# Allegro board BeagleBoard-X15_RevA2.brd (continued)
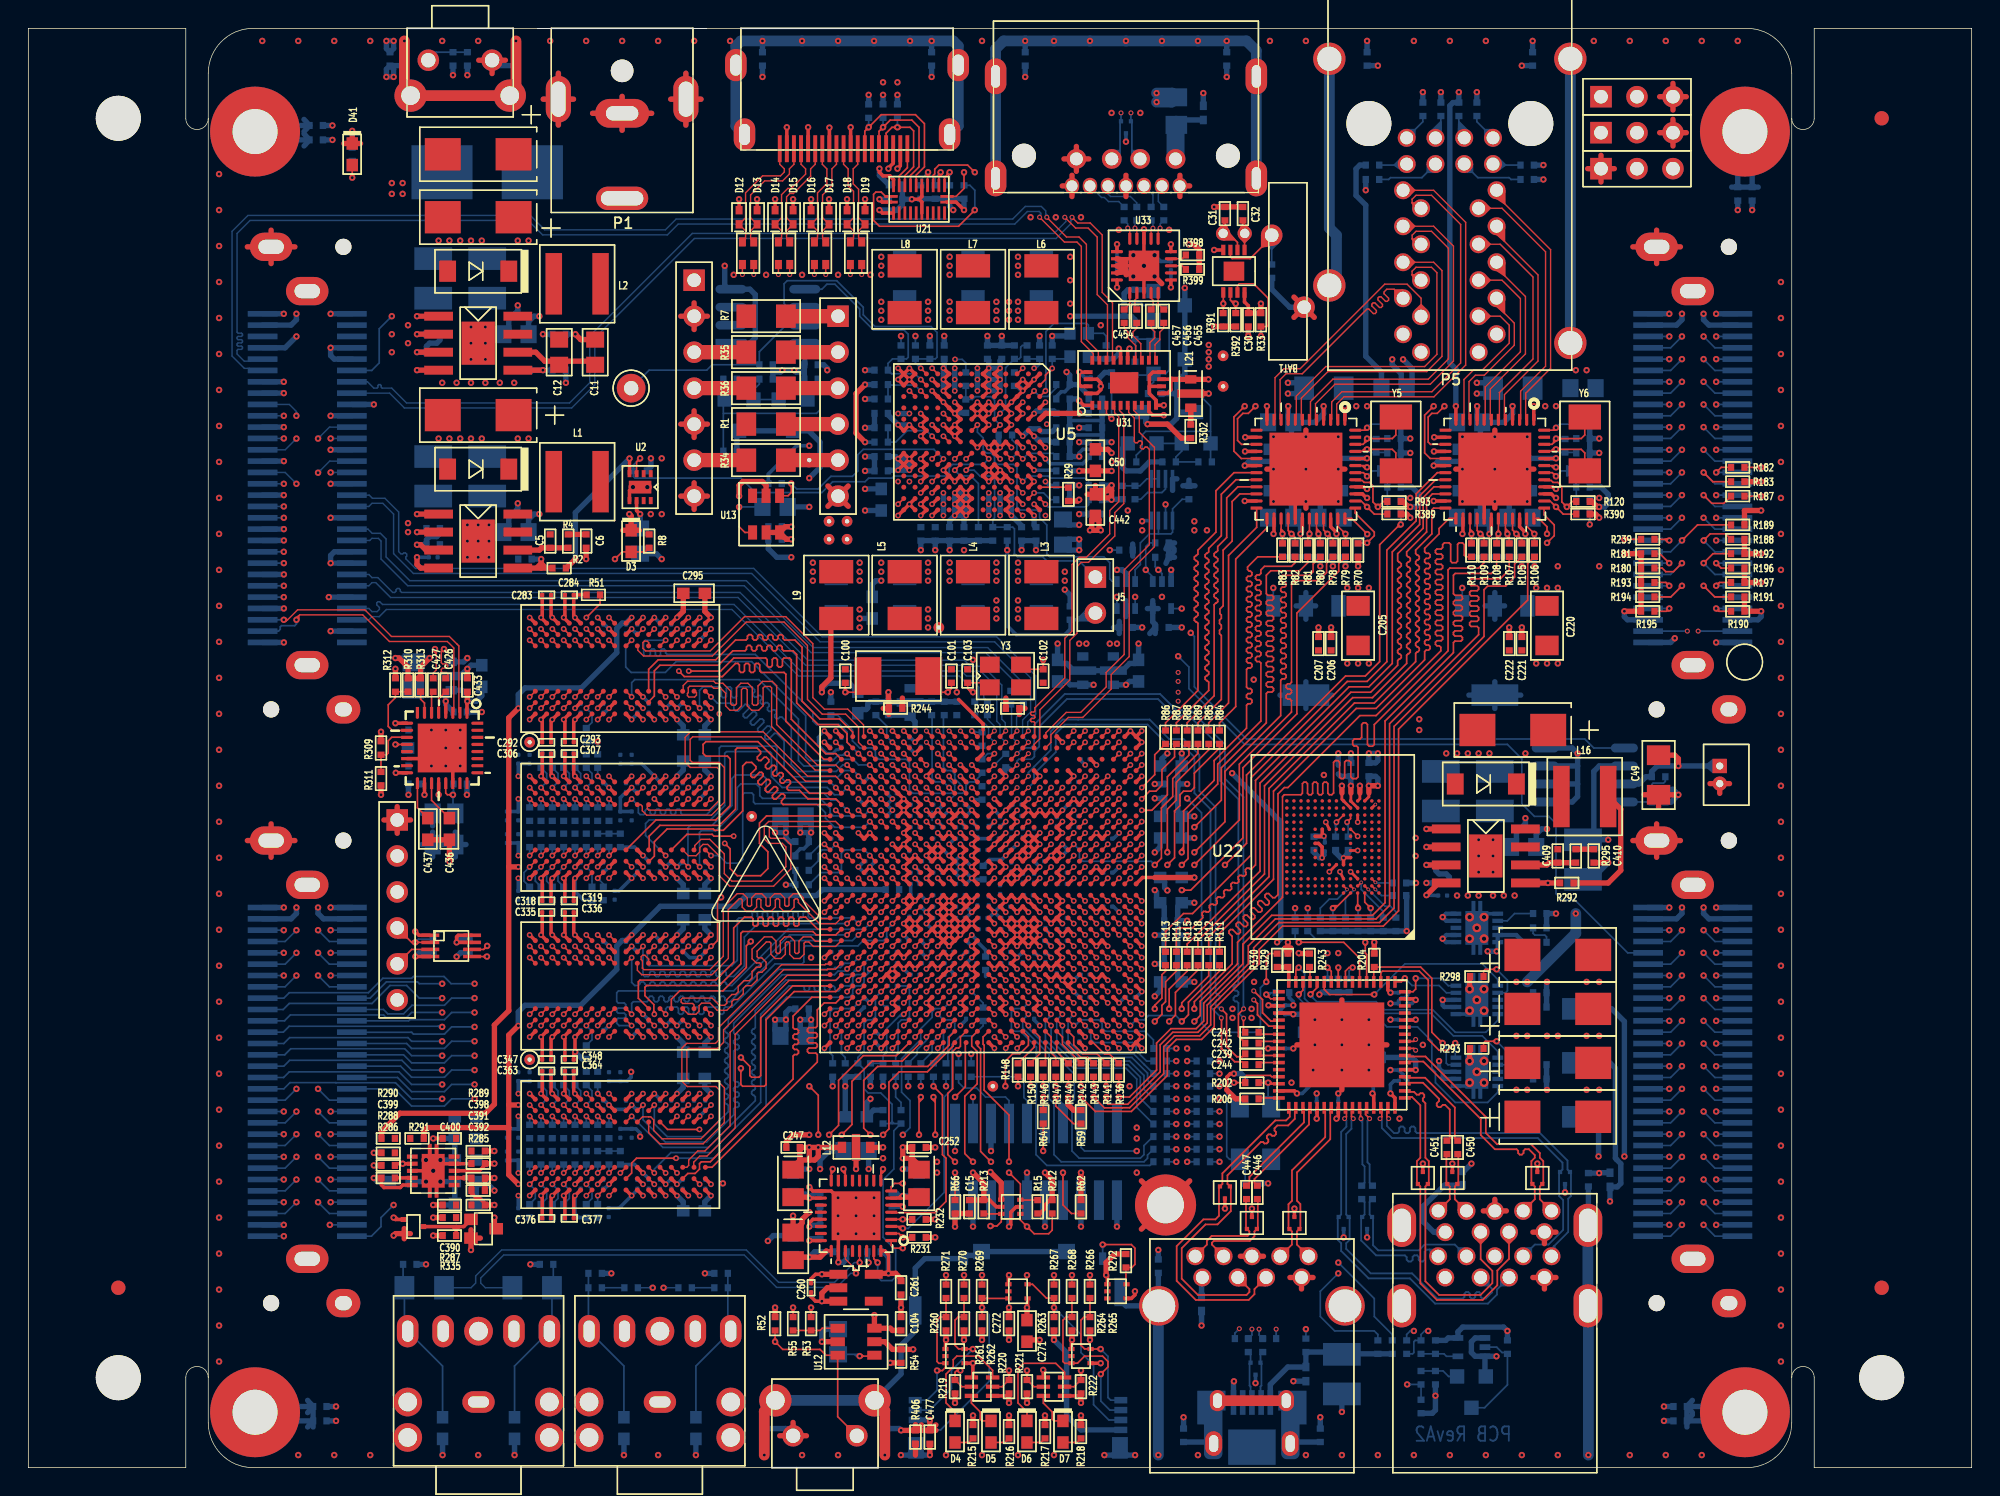
[diagram p0: board, top side]
## Routing (per net, layer and track width the routed paths; a pad name or vN(x,y) marks a point on that pad's centre or on a via; arc(x,y) is an arc through that point) (continued)
DDR2_DQSN1: length 28.4
  TOP w0.102: U25.G3 43.35,24.77 43.78,24.77 43.79,24.76 43.93,24.76 44.14,24.55 44.14,23.8 44.72,23.22 47.47,23.22 48.77,24.51 48.77,26.67 48.54,26.9 46.51,26.9 46.13,27.28 46.13,29.61 46.47,29.95 48.5,29.95 48.71,30.17 48.71,31.06 53.16,35.5 56.22,35.5 56.28,35.55 56.53,35.55 U11.H28
DDR2_DQSN2: length 20.5
  TOP w0.102: U11.K28 56.53,37.15 55.55,37.15 55.24,37.47 54.69,37.47 54.39,37.17 54.39,36.39 54.3,36.3 54.18,36.3 54.09,36.39 54.09,37.17 53.79,37.47 53.37,37.47 53.07,37.17 53.07,36.39 52.98,36.3 52.86,36.3 52.77,36.39 52.77,37.17 52.47,37.47 51.94,37.47 51.08,36.6 51.08,35.93 51.38,35.63 51.63,35.63 51.71,35.54 51.71,35.41 51.63,35.32 51.38,35.32 51.08,35.03 51.08,34.57 50.88,34.37 50.5,34.37 50.1,33.97 50.1,33.59 49.91,33.4 49.66,33.4 49.3,33.05 49.3,32.79 49.15,32.64 48.77,32.64 48.26,33.15 46.18,33.15 46.08,33.05 46.08,32.87 46.18,32.77 46.88,32.77 46.98,32.66 U26.B7
DDR2_DQSN3: length 24.2
  TOP w0.102: U11.M27 56.98,38.4 55.84,38.4 54.35,39.89 54.35,40.07 54.26,40.16 54.13,40.16 54.04,40.07 54.04,39.57 53.75,39.27 53.33,39.27 53.03,39.57 53.03,40.07 52.94,40.16 52.81,40.16 52.72,40.07 52.72,39.57 52.43,39.27 52,39.27 51.71,39.57 51.71,40.07 51.62,40.16 51.49,40.16 51.4,40.07 51.4,39.57 51.1,39.27 50.68,39.27 50.39,39.57 50.39,40.07 50.3,40.16 50.17,40.16 49.4,39.39 49.4,35.95 48.25,34.8 43.29,34.8 42.98,35.11 U26.G3
DDR2_ODT0: length 48.4
  TOP w0.12: U11.R23 v1(60.19,41.61) ; v1(40.18,37.6) U26.K1 ; v1(40.18,26.4) U25.K1
  INT_L3 w0.094: v1(40.18,37.6) U26.K1 40.58,35.82 41.4,35 41.4,27.89 40.18,26.67 v1(40.18,26.4)
  SIG_L5 w0.094: v1(40.18,37.6) 40.18,37.64 40.64,38.1 42.41,38.1 42.49,38.18 42.49,38.4 42.57,38.48 42.69,38.48 42.77,38.4 42.77,38.18 42.85,38.1 42.97,38.1 43.05,38.18 43.05,38.4 43.14,38.48 43.25,38.48 43.34,38.4 43.34,38.18 43.42,38.1 43.53,38.1 43.62,38.18 43.62,38.4 43.7,38.48 43.82,38.48 43.9,38.4 43.9,38.18 43.98,38.1 44.1,38.1 44.18,38.18 44.18,38.4 44.26,38.48 44.38,38.48 44.46,38.4 44.46,38.18 44.55,38.1 44.66,38.1 44.75,38.18 44.75,38.4 44.83,38.48 44.94,38.48 45.03,38.4 45.03,38.18 45.11,38.1 45.23,38.1 45.31,38.18 45.31,38.4 45.39,38.48 45.51,38.48 45.59,38.4 45.59,38.18 45.67,38.1 45.79,38.1 45.87,38.18 45.87,38.4 45.96,38.48 46.07,38.48 46.15,38.4 46.15,38.18 46.24,38.1 46.35,38.1 46.44,38.18 46.44,38.4 46.52,38.48 46.64,38.48 46.72,38.4 46.72,38.18 46.8,38.1 46.92,38.1 47,38.18 47,38.4 47.08,38.48 47.2,38.48 47.28,38.4 47.28,38.18 47.37,38.1 47.48,38.1 47.56,38.18 47.56,38.4 47.65,38.48 47.76,38.48 47.85,38.4 47.85,38.18 47.93,38.1 48.05,38.1 48.13,38.18 48.13,38.4 48.21,38.48 48.33,38.48 48.41,38.4 48.41,38.18 48.49,38.1 48.61,38.1 48.69,38.18 48.69,38.4 48.78,38.48 48.89,38.48 48.97,38.4 48.97,38.18 49.06,38.1 49.17,38.1 49.26,38.18 49.26,38.4 49.34,38.48 49.46,38.48 49.54,38.4 49.54,38.18 49.62,38.1 49.74,38.1 49.82,38.18 49.82,38.4 49.9,38.48 50.02,38.48 50.1,38.4 50.1,38.18 50.18,38.1 50.3,38.1 50.38,38.18 50.38,38.4 50.47,38.48 50.58,38.48 50.67,38.4 50.67,38.18 50.75,38.1 50.87,38.1 50.95,38.18 50.95,38.4 51.03,38.48 51.15,38.48 51.23,38.4 51.23,38.18 51.31,38.1 51.43,38.1 51.51,38.18 51.51,38.4 51.59,38.48 51.71,38.48 51.79,38.4 51.79,38.18 51.88,38.1 51.99,38.1 52.08,38.18 52.08,38.4 52.16,38.48 52.28,38.48 52.36,38.4 52.36,38.18 52.44,38.1 52.56,38.1 52.64,38.18 52.64,38.4 52.72,38.48 52.84,38.48 52.92,38.4 52.92,38.18 53,38.1 53.12,38.1 53.2,38.18 53.2,38.4 53.29,38.48 53.4,38.48 53.49,38.4 53.49,38.18 53.57,38.1 54.23,38.1 55.71,39.58 59.54,39.58 59.81,39.85 59.81,41.23 v1(60.19,41.61)
  BOTTOM w0.12: R341.1 v1(40.18,26.4)
DDR2_RASN: length 48.2
  TOP w0.12: v1(40.98,24.8) U25.J3 ; v1(40.98,36) U26.J3 ; U11.T23 v1(60.19,42.41)
  INT_L3 w0.094: v1(40.98,24.8) 40.58,25.2 40.58,26.57 40.82,26.8 40.82,26.8 41.78,27.76 41.78,35.2 v1(40.98,36)
  SIG_L8 w0.094: v1(40.98,36) 41.4,36.42 41.4,38.35 41.53,38.48 48.77,38.48 49.9,39.61 49.9,39.73 49.64,39.99 49.64,40.11 49.72,40.19 49.83,40.19 50.1,39.93 50.22,39.93 50.3,40.01 50.3,40.13 50.03,40.39 50.03,40.51 50.12,40.59 50.23,40.59 50.5,40.33 50.61,40.33 50.7,40.41 50.7,40.53 50.43,40.79 50.43,40.91 50.52,40.99 50.63,40.99 50.9,40.73 51.01,40.73 51.1,40.81 51.1,40.93 50.83,41.19 50.83,41.31 50.91,41.39 51.03,41.39 51.29,41.12 51.41,41.12 51.49,41.21 51.49,41.32 51.23,41.59 51.23,41.7 51.31,41.79 51.43,41.79 51.69,41.52 51.81,41.52 51.89,41.61 51.89,41.72 51.63,41.99 51.63,42.1 51.71,42.19 51.83,42.19 52.09,41.92 52.21,41.92 52.29,42 52.29,42.12 52.03,42.39 52.03,42.5 52.18,42.66 52.3,42.66 52.56,42.39 52.68,42.39 52.76,42.48 52.76,42.59 52.5,42.86 52.5,42.97 52.83,43.31 53.14,43.31 53.23,43.22 53.23,42.86 53.31,42.78 53.43,42.78 53.51,42.86 53.51,43.22 53.59,43.31 53.71,43.31 53.79,43.22 53.79,42.86 53.87,42.78 53.99,42.78 54.07,42.86 54.07,43.22 54.15,43.31 54.27,43.31 54.35,43.22 54.35,42.86 54.44,42.78 54.55,42.78 54.64,42.86 54.64,43.22 54.72,43.31 54.83,43.31 54.92,43.22 54.92,42.86 55,42.78 57.14,42.78 57.52,42.41 58.05,42.41 58.43,42.78 59.81,42.78 v1(60.19,42.41)
  BOTTOM w0.12: R279.1 v1(40.98,24.8)
DDR2_RST: length 48.4
  TOP w0.12: U11.R24 v1(59.39,41.61) ; v1(35.38,25.6) U25.T2 ; v1(35.38,36.8) U26.T2
  SIG_L5 w0.094: v1(35.38,25.6) 35.73,25.95 35.73,26.68 35.65,26.76 35.64,26.76 35.56,26.84 35.56,26.96 35.64,27.04 35.65,27.04 35.73,27.12 35.73,27.24 35.65,27.32 35.64,27.32 35.56,27.4 35.56,27.52 35.64,27.6 35.65,27.6 35.73,27.69 35.73,27.8 35.65,27.89 35.64,27.89 35.56,27.97 35.56,28.09 35.64,28.17 35.65,28.17 35.73,28.25 35.73,28.45 TP21.1 35.73,29.16 35.73,29.49 35.65,29.58 35.64,29.58 35.56,29.66 35.56,29.78 35.64,29.86 35.65,29.86 35.73,29.94 35.73,32.34 34.98,33.09 34.98,36.4 v1(35.38,36.8)
  SIG_L8 w0.094: v1(59.39,41.61) 59.39,41.1 59.06,40.77 58.6,40.77 58.52,40.68 58.52,40.47 58.43,40.39 58.32,40.39 58.23,40.47 58.23,40.68 58.15,40.77 58.04,40.77 57.95,40.68 57.95,40.47 57.87,40.39 57.75,40.39 57.67,40.47 57.67,40.68 57.59,40.77 57.47,40.77 57.39,40.68 57.39,40.47 57.31,40.39 57.19,40.39 57.11,40.47 57.11,40.68 57.02,40.77 56.91,40.77 56.82,40.68 56.82,40.47 56.74,40.39 56.63,40.39 56.54,40.47 56.54,40.68 56.46,40.77 56.34,40.77 56.26,40.68 56.26,40.47 56.18,40.39 56.06,40.39 55.98,40.47 55.98,40.68 55.9,40.77 55.78,40.77 55.7,40.68 55.7,40.09 55.61,40.01 55.5,40.01 55.42,40.09 55.42,40.68 55.33,40.77 55.22,40.77 55.13,40.68 55.13,40.09 55.05,40.01 54.93,40.01 54.85,40.09 54.85,40.68 54.77,40.77 54.36,40.77 51.18,37.59 50.8,37.59 49.61,36.4 43.23,36.4 43.05,36.23 43.05,35.81 42.16,34.92 37.21,34.92 36.58,35.55 36.58,36.19 36.37,36.4 U26.T2 v1(35.38,36.8)
DDR2_WEN: length 48.5
  TOP w0.12: U11.U25 v1(58.59,43.21) ; v1(39.38,36) U26.L3 ; v1(39.38,24.8) U25.L3
  INT_L3 w0.094: v1(39.38,24.8) 38.99,25.2 38.99,25.43 38.98,25.44 38.98,28.95 39,28.97 39,29.83 38.98,29.85 38.98,32.17 38.99,32.18 38.99,32.33 40.13,33.48 40.13,34.75 39.38,35.5 v1(39.38,36)
  SIG_L8 w0.094: v1(39.38,36) 39.78,36.4 39.78,38.89 41.28,40.39 41.57,40.39 41.65,40.3 41.65,39.96 41.73,39.88 41.85,39.88 41.93,39.96 41.93,40.3 42.02,40.39 42.13,40.39 42.21,40.3 42.21,39.96 42.3,39.88 42.41,39.88 42.5,39.96 42.5,40.3 42.58,40.39 42.7,40.39 42.78,40.3 42.78,39.96 42.86,39.88 42.98,39.88 43.06,39.96 43.06,40.3 43.14,40.39 43.26,40.39 43.34,40.3 43.34,39.96 43.43,39.88 43.54,39.88 43.62,39.96 43.62,40.3 43.71,40.39 43.82,40.39 43.91,40.3 43.91,39.96 43.99,39.88 44.11,39.88 44.19,39.96 44.19,40.3 44.27,40.39 44.39,40.39 44.47,40.3 44.47,39.96 44.55,39.88 44.67,39.88 44.75,39.96 44.75,40.3 44.83,40.39 44.95,40.39 45.03,40.3 45.03,39.96 45.12,39.88 45.23,39.88 45.32,39.96 45.32,40.3 45.4,40.39 45.52,40.39 45.6,40.3 45.6,39.96 45.68,39.88 45.8,39.88 45.88,39.96 45.88,40.3 45.96,40.39 46.08,40.39 46.16,40.3 46.16,39.96 46.24,39.88 46.36,39.88 46.44,39.96 46.44,40.3 46.53,40.39 46.64,40.39 46.73,40.3 46.73,39.96 46.81,39.88 46.93,39.88 47.01,39.96 47.01,40.3 47.09,40.39 47.21,40.39 47.29,40.3 47.29,39.96 47.37,39.88 47.49,39.88 47.57,39.96 47.57,40.46 47.68,40.57 48.95,40.57 52.45,44.07 55.31,44.07 55.75,43.63 57.21,43.63 57.4,43.43 57.4,43.05 57.66,42.8 57.91,42.8 57.94,42.83 57.94,42.83 58.16,43.05 58.16,43.05 58.32,43.21 v1(58.59,43.21)
  BOTTOM w0.12: R343.1 v1(39.38,24.8)
DDR_VREF_OFFN: length 52.2
  TOP w0.12: U11.A22 v1(60.99,29.61)
  TOP w0.254: v2(25.78,17.65) 25.92,17.52 Q5.1 ; U27.7 v2(26.42,21.46) 25.99,21.46 R288.1
  SIG_L5 w0.254: v2(26.42,21.46) 26.42,18.29 v2(25.78,17.65)
  SIG_L8 w0.094: v1(60.99,29.61) 60.58,30.01 60.58,30.61 60.4,30.78 60.02,30.78 59.82,30.99 59.82,31.27 59.53,31.56 56.84,31.56 56.54,31.25 56.54,30.88 50.93,25.27 50.93,20.95 47.12,17.14 26.29,17.14 v2(25.78,17.65)
DDR_VREFSTL1: length 87.1
  TOP w0.12: U11.Y18 v1(64.19,45.61)
  TOP w0.254: v1(42.58,60.01) U23.H1 ; v1(38.58,53.61) U23.M8 ; v1(38.58,42.41) U24.M8 ; v1(42.58,48.81) U24.H1
  TOP w0.381: 33.91,42.41 33.91,32.26 32.89,31.24 32.89,25.65 32.26,25.02 26.23,25.02 24.93,23.72 R290.2 ; 33.91,42.41 33.91,52.93 v1(34.58,53.61) ; 33.91,42.41 v1(34.58,42.41)
  SIG_L5 w0.381: 58.67,45.59 56.52,45.59 52.7,49.4 43.18,49.4 v1(42.58,48.81) 41.78,48.01 41.78,46.74 38.99,43.94 34.29,43.94 33.91,43.56 33.91,42.79 34.29,42.41 v1(34.58,42.41)
  BOTTOM w0.254: v1(42.58,48.81) U24.H1 C278.1 ; v1(38.58,53.61) 38.9,53.92 C275.1 ; C273.1 64.5,45.29 v1(64.19,45.61) ; C276.1 38.9,42.72 v1(38.58,42.41) ; 42.19,59.61 42.19,59.53 C277.1
  BOTTOM w0.381: v1(34.58,53.61) 34.58,54.57 35.05,55.04 39.04,55.04 41.53,57.53 41.53,59.23 41.91,59.61 42.19,59.61 v1(42.58,60.01)
DDR_VREFSTL2: length 68.9
  TOP w0.12: U11.N22 v1(60.99,39.21)
  TOP w0.254: v1(42.58,26.4) U25.H1 ; v1(38.58,31.2) U26.M8 ; v1(38.58,20) U25.M8 ; v1(42.58,37.6) U26.H1
  TOP w0.381: 33.91,24 28.16,24 27.91,23.75 R291.2 ; 33.91,24 33.91,25.6 ; 33.91,24 33.91,20.68 v1(34.58,20) ; 33.91,25.6 33.91,30.53 v1(34.58,31.2) ; 33.91,25.6 v1(34.58,25.6)
  SIG_L5 w0.381: 39.24,21.46 38.99,21.21 ; 39.24,21.46 39.88,21.46 42.04,23.62 42.04,25.86 v1(42.58,26.4) ; 39.24,21.46 34.42,21.46 34.04,21.08 34.04,20.38 34.42,20 v1(34.58,20)
  BOTTOM w0.254: 42.19,37.21 U26.H1 C281.1 ; C280.1 U25.H1 v1(42.58,26.4) ; v1(38.58,31.2) 38.9,31.52 C282.1 ; C279.1 38.9,20.31 v1(38.58,20)
  BOTTOM w0.381: C274.2 56.05,40.81 55.63,40.39 50.67,40.39 49.91,39.62 44.6,39.62 v1(42.58,37.6) 42.19,37.21 41.91,37.21 41.53,36.83 41.53,35.18 38.99,32.64 35.05,32.64 34.58,32.17 v1(34.58,31.2)
DMA_EVT1: length 66.8
  TOP w0.12: U11.P7 v1(73.79,40.01)
  SIG_L10 w0.094: v2(115.82,78.25) 111.76,74.19 111.76,66.8 108.08,63.12 97.03,63.12 83.31,49.4 79.68,49.4 78.73,48.45 78.54,48.45 78.23,48.15 78.23,47.96 77.13,46.85 76.94,46.85 76.63,46.55 76.63,46.36 76.33,46.05 76.14,46.05 75.03,44.95 75.03,44.76 74.73,44.45 74.54,44.45 74.21,44.13 74.21,40.94 73.79,40.51 v1(73.79,40.01)
  BOTTOM w0.12: P16.35 v2(115.82,78.25)
DMA_EVT3: length 68.8
  TOP w0.12: U11.N6 v1(74.59,39.21)
  SIG_L10 w0.094: v2(119.13,73.45) 116.8,71.12 115.57,71.12 115.32,70.87 115.32,58.29 104.27,47.24 91.44,47.24 84.71,40.51 81.92,40.51 81.66,40.26 79.37,40.26 78.99,40.64 75.44,40.64 74.96,40.17 74.96,39.78 74.59,39.41 v1(74.59,39.21)
  BOTTOM w0.12: P16.11 v2(119.13,73.45)
DMA_EVT4: length 61.2
  TOP w0.12: U11.M4 v1(76.19,38.41)
  SIG_L8 w0.094: v1(76.19,38.41) 76.15,38.41 75.81,38.74 75.81,39.36 76.08,39.63 76.46,39.63 76.58,39.75 76.58,40.13 76.61,40.16 76.61,40.16 76.83,40.38 76.83,40.38 77.47,41.02 77.74,41.02 77.99,41.27 78.61,41.27 78.99,41.66 81.53,41.66 82.07,42.19 82.44,42.19 82.65,42.4 82.65,43.66 93.09,54.1 101.98,54.1 109.22,61.34 109.22,63.12 114.3,68.2 116.08,68.2 116.31,68.43 116.31,68.82 116.58,69.09 118.69,69.09 v2(119.13,68.65)
  BOTTOM w0.12: P16.17 v2(119.13,68.65)
E0_AVDDL: length 9.9
  TOP w0.254: U14.4 v2(91.42,74.93) ; U14.9 v2(88.92,74.93)
  BOTTOM w0.381: v2(88.92,74.93) 88.92,74.15 FB2.2 ; FB2.2 89.15,73.66 C210.1 C211.1 ; FB2.2 90.81,73.79 91.42,74.4 v2(91.42,74.93)
E0_DVDDL: length 14.6
  TOP w0.254: v2(94.49,68.45) 94.44,68.45 94.16,68.73 U14.39 ; U14.26 87.92,65.95 v2(87.88,65.91) ; U14.30 89.92,66.04 v2(89.79,65.91) ; U14.14 v2(85.89,72.73) ; U14.18 v2(85.86,70.73) ; U14.23 v2(85.85,68.24)
  BOTTOM w0.381: v2(89.79,65.91) 89.79,66.55 FB4.2 89.15,67.18 C212.1 89.37,69.18 C213.2 89.37,70.61 88.96,71.03 86.15,71.03 v2(85.86,70.73)
E0_GRN: length 37
  TOP w0.12: v2(85.85,74.93) 85.09,74.17 85.09,71.75 85.61,71.24 U14.17
  SIG_L5 w0.094: P5.D5 98.12,91.19 98.55,91.19 99.32,90.42 99.32,78.23 98.55,77.47 88.39,77.47 v2(85.85,74.93)
  BOTTOM w0.12: P5.D5 97.21,91.95 R90.1
E0_ISET: length 2.4
  TOP w0.12: v2(94.49,73.41) 94.32,73.24 U14.48
  BOTTOM w0.12: R92.2 94.74,73.66 v2(94.49,73.41)
E0_PLL: length 8.4
  TOP w0.254: v2(94.49,71.25) 94.48,71.24 U14.44
  BOTTOM w0.381: FB1.2 91.19,67.18 C208.1 90.97,69.18 C209.2 90.97,70.65 91.57,71.25 v2(94.49,71.25)
E0_RST: length 5.3
  TOP w0.12: v2(94.49,69.98) 94.23,70.24 U14.42
  BOTTOM w0.12: R316.2 R96.2 R95.2 95.92,70.07 C219.1 94.87,70.36 v2(94.49,69.98)
E0_XI: length 5.9
  TOP w0.12: U14.46 94.21,72.24 94.49,72.52 v2(94.49,72.64) 96.27,72.64 96.52,72.9 Y5.2
  BOTTOM w0.12: v2(94.49,72.64) 94.52,72.61 R94.2 95.89,72.61 C217.2
E0_XO: length 5.8
  TOP w0.12: Y5.1 96.52,71.63 96.27,71.88 v2(94.49,71.88) 94.34,71.73 U14.45
  BOTTOM w0.12: C218.2 95.89,71.66 R94.1 94.71,71.66 v2(94.49,71.88)
E0_YEL: length 38
  TOP w0.12: v2(86.61,74.93) 86.11,74.42 85.72,74.42 85.34,74.04 85.34,72.52 85.63,72.24 U14.15
  SIG_L5 w0.094: v2(86.61,74.93) 88.77,77.09 98.68,77.09 99.7,78.11 99.7,90.37 P5.D7
  BOTTOM w0.12: R91.1 104.65,90.93 104.52,91.06 102.31,91.06 P5.D7
E1_AVDDL: length 9.9
  TOP w0.254: U15.9 v2(102.26,74.93) ; U15.4 v2(104.75,74.93)
  BOTTOM w0.381: v2(104.75,74.93) 104.75,74.4 104.14,73.79 FB6.2 ; FB6.2 102.26,74.15 v2(102.26,74.93) ; FB6.2 102.49,73.66 C226.1 C225.2
E1_DVDDL: length 14.6
  TOP w0.254: v2(103.12,65.91) 103.26,66.04 U15.30 ; U15.14 v2(99.22,72.73) ; U15.26 101.26,65.95 v2(101.22,65.91) ; U15.18 v2(99.19,70.73) ; U15.39 107.49,68.73 107.78,68.45 v2(107.82,68.45) ; U15.23 v2(99.19,68.24)
  BOTTOM w0.381: v2(99.19,70.73) 99.49,71.03 102.29,71.03 102.71,70.61 C228.2 102.71,69.18 C227.1 102.49,67.18 FB8.2 103.12,66.55 v2(103.12,65.91)
E1_GRN: length 31.5
  TOP w0.12: v2(99.19,74.93) 98.55,74.3 98.55,71.63 98.94,71.24 U15.17
  SIG_L5 w0.094: v2(99.19,74.93) 100.97,76.71 100.97,90.17 102.23,91.44 102.23,92.46 101.73,92.96 98.19,92.96 P5.D1
  BOTTOM w0.12: R116.1 98.42,95.01 P5.D1
E1_ISET: length 2.4
  TOP w0.12: U15.48 107.65,73.24 v2(107.82,73.41)
  BOTTOM w0.12: v2(107.82,73.41) 108.08,73.66 R119.2
E1_PLL: length 8.4
  TOP w0.254: v2(107.82,71.25) 107.81,71.24 U15.44
  BOTTOM w0.381: FB5.2 104.52,67.18 C223.1 104.3,69.18 C224.2 104.3,70.65 104.9,71.25 v2(107.82,71.25)
E1_RSTN: length 5.3
  TOP w0.12: v2(107.82,69.98) 107.56,70.24 U15.42
  BOTTOM w0.12: v2(107.82,69.98) 108.2,70.36 C234.1 109.25,70.07 R122.2 R123.2 R317.2
E1_XI: length 5.9
  TOP w0.12: U15.46 107.54,72.24 107.82,72.52 v2(107.82,72.64) 109.6,72.64 109.86,72.9 Y6.2
  BOTTOM w0.12: C232.2 109.22,72.61 R121.2 107.86,72.61 v2(107.82,72.64)
E1_XO: length 5.8
  TOP w0.12: U15.45 107.68,71.73 v2(107.82,71.88) 109.6,71.88 109.86,71.63 Y6.1
  BOTTOM w0.12: v2(107.82,71.88) 108.04,71.66 R121.1 109.22,71.66 C233.2
E1_YEL: length 26.7
  TOP w0.12: U15.15 98.96,72.24 98.8,72.4 98.8,74.16 99.06,74.42 99.44,74.42 v2(99.95,74.93)
  SIG_L5 w0.094: P5.D3 102.49,92.73 102.49,91.19 101.35,90.04 101.35,76.33 v2(99.95,74.93)
  BOTTOM w0.12: R117.1 100.97,94.25 P5.D3
EEWP: length 14.6
  BOTTOM w0.12: U8.7 53.47,80.64 51.6,78.77 R37.1 48.26,77.85 47.88,77.47 43.81,77.47 TP4.1
EHRPWM2_TRIPZONE_INPUT: length 54.8
  TOP w0.12: U11.F6 v1(74.59,33.61)
  SIG_L5 w0.094: v2(118.24,36.34) 117.71,35.81 115.19,35.81 110.62,40.39 106.3,40.39 105.79,40.89 100.08,40.89 99.19,40.01 87.38,40.01 86.74,39.37 79.12,39.37 78.91,39.58 78.43,39.58 78.21,39.36 78.21,39.09 77.94,38.83 77.68,38.83 77.41,38.56 77.41,38.29 77.14,38.03 76.88,38.03 76.61,37.76 76.61,37.49 76.34,37.23 76.08,37.23 75.81,36.96 75.81,36.69 75.54,36.43 75.28,36.43 75.01,36.16 75.01,35.89 74.74,35.63 74.48,35.63 74.21,35.36 74.21,33.98 v1(74.59,33.61)
  BOTTOM w0.12: P18.6 119.04,35.54 v2(118.24,36.34)
EHRPWM2A: length 88.4
  TOP w0.12: U11.AC5 v1(75.39,48.01)
  SIG_L5 w0.094: v2(21.34,36.34) 21.61,36.34 24.77,39.5 24.77,41.4 25.27,41.91 26.16,41.91 27.43,43.18 27.43,58.55 35.31,66.42 47.5,66.42 57.91,56.01 70.36,56.01 73.41,52.96 73.41,50.67 73.79,50.29 74.42,50.29 74.96,49.75 74.96,48.73 75.39,48.31 v1(75.39,48.01)
  BOTTOM w0.12: P17.5 v2(21.34,36.34)
EHRPWM2B: length 45.8
  TOP w0.12: U11.D3 v1(76.99,32.01)
  SIG_L5 w0.094: v2(116.71,29.94) 116.71,29.72 116.2,29.21 98.55,29.21 98.17,28.83 86.87,28.83 85.7,29.99 77.58,29.99 77.41,30.16 77.41,31.58 v1(76.99,32.01)
  BOTTOM w0.12: P18.44 115.91,29.14 v2(116.71,29.94)
EMAC(0)_RXD0: length 36.8
  TOP w0.12: R80.1 90.68,63.79 90.68,63.25 90.42,62.99 88.52,62.99 88.39,62.87 88.39,62.62 88.5,62.51 88.67,62.51 88.77,62.41 88.77,62.26 88.67,62.15 88.5,62.15 88.39,62.05 88.39,61.9 88.5,61.79 88.67,61.79 88.77,61.69 88.77,61.54 88.67,61.43 88.5,61.43 88.39,61.33 88.39,61.18 88.5,61.07 88.67,61.07 88.77,60.97 88.77,60.82 88.67,60.71 88.5,60.71 88.39,60.61 88.39,60.46 88.5,60.35 88.67,60.35 88.77,60.25 88.77,60.1 88.67,60 88.5,60 88.39,59.89 88.39,59.74 88.5,59.64 88.67,59.64 88.77,59.53 88.77,59.38 88.67,59.28 88.5,59.28 88.39,59.17 88.39,59.02 88.5,58.92 88.67,58.92 88.77,58.81 88.77,58.66 88.67,58.56 88.5,58.56 88.39,58.45 88.39,58.3 88.5,58.2 88.67,58.2 88.77,58.09 88.77,57.94 88.67,57.84 88.5,57.84 88.39,57.73 88.39,57.58 88.5,57.48 88.67,57.48 88.77,57.37 88.77,57.22 88.67,57.12 88.5,57.12 88.39,57.01 88.39,56.86 88.5,56.76 88.67,56.76 88.77,56.65 88.77,56.5 88.67,56.4 88.5,56.4 88.39,56.29 88.39,56.14 88.5,56.04 88.67,56.04 88.77,55.93 88.77,55.78 88.67,55.68 88.5,55.68 88.39,55.57 88.39,53.09 84.45,49.15 84.45,45.59 v2(82.3,43.43) ; U11.W2 v1(77.79,44.81)
  GND_L9 w0.094: v1(77.79,44.81) 78.19,45.21 78.87,45.21 79.38,44.7 81.03,44.7 v2(82.3,43.43)
EMAC(0)_RXD1: length 36.8
  TOP w0.12: U11.Y2 v1(77.79,45.61) ; v2(82.3,45.21) 84.2,47.12 84.2,49.4 87.38,52.58 87.38,54.64 87.48,54.75 87.78,54.75 87.88,54.85 87.88,55 87.78,55.11 87.48,55.11 87.38,55.21 87.38,55.36 87.48,55.47 87.78,55.47 87.88,55.57 87.88,55.72 87.78,55.83 87.48,55.83 87.38,55.93 87.38,56.08 87.48,56.19 87.78,56.19 87.88,56.29 87.88,56.44 87.78,56.55 87.48,56.55 87.38,56.65 87.38,56.8 87.48,56.91 87.78,56.91 87.88,57.01 87.88,57.16 87.78,57.27 87.48,57.27 87.38,57.37 87.38,57.52 87.48,57.63 87.78,57.63 87.88,57.73 87.88,57.88 87.78,57.99 87.48,57.99 87.38,58.09 87.38,58.24 87.48,58.35 87.78,58.35 87.88,58.45 87.88,58.6 87.78,58.7 87.48,58.7 87.38,58.81 87.38,58.96 87.48,59.06 87.78,59.06 87.88,59.17 87.88,59.32 87.78,59.42 87.48,59.42 87.38,59.53 87.38,59.68 87.48,59.78 87.78,59.78 87.88,59.89 87.88,60.04 87.78,60.14 87.48,60.14 87.38,60.25 87.38,60.4 87.48,60.5 87.78,60.5 87.88,60.61 87.88,60.76 87.78,60.86 87.48,60.86 87.38,60.97 87.38,61.12 87.48,61.22 87.78,61.22 87.88,61.33 87.88,61.48 87.78,61.58 87.48,61.58 87.38,61.69 87.38,62.99 87.69,63.31 89.73,63.31 90.3,63.88 R81.1
  GND_L9 w0.094: v2(82.3,45.21) 79.63,45.21 78.87,45.97 78.16,45.97 v1(77.79,45.61)
EMAC(0)_RXD2: length 36.9
  TOP w0.12: R82.1 89.41,63.88 89.15,63.63 87.25,63.63 87,63.37 87,63.12 86.89,63.02 86.72,63.02 86.61,62.91 86.61,62.76 86.72,62.66 86.89,62.66 87,62.55 87,62.4 86.89,62.3 86.72,62.3 86.61,62.19 86.61,62.04 86.72,61.94 86.89,61.94 87,61.83 87,61.68 86.89,61.58 86.72,61.58 86.61,61.47 86.61,61.32 86.72,61.22 86.89,61.22 87,61.11 87,60.96 86.89,60.86 86.72,60.86 86.61,60.75 86.61,60.6 86.72,60.5 86.89,60.5 87,60.39 87,60.24 86.89,60.14 86.72,60.14 86.61,60.03 86.61,59.88 86.72,59.78 86.89,59.78 87,59.67 87,59.52 86.89,59.42 86.72,59.42 86.61,59.31 86.61,59.17 86.72,59.06 86.89,59.06 87,58.95 87,58.81 86.89,58.7 86.72,58.7 86.61,58.59 86.61,58.45 86.72,58.34 86.89,58.34 87,58.24 87,58.09 86.89,57.98 86.72,57.98 86.61,57.88 86.61,57.73 86.72,57.62 86.89,57.62 87,57.52 87,57.37 86.89,57.26 86.72,57.26 86.61,57.16 86.61,57.01 86.72,56.9 86.89,56.9 87,56.8 87,52.7 83.95,49.66 83.95,48.26 81.85,46.16 81.85,42.99 v2(81.41,42.55) ; U11.V3 v1(76.99,44.01)
  GND_L9 w0.094: v1(76.99,44.01) 77.15,44.01 77.53,43.63 78.93,43.63 79.25,43.94 80.39,43.94 80.77,43.56 80.77,43.18 v2(81.41,42.55)
EMAC(0)_RXD3: length 37.2
  TOP w0.12: R83.1 86.77,64.3 86.05,63.57 86.05,63.4 86.17,63.28 86.25,63.28 86.36,63.18 86.36,63.03 86.25,62.92 86.08,62.92 85.98,62.82 85.98,62.67 86.08,62.56 86.25,62.56 86.36,62.46 86.36,62.31 86.25,62.2 86.08,62.2 85.98,62.1 85.98,61.95 86.08,61.84 86.25,61.84 86.36,61.74 86.36,61.59 86.25,61.48 86.08,61.48 85.98,61.38 85.98,61.23 86.08,61.12 86.25,61.12 86.36,61.02 86.36,60.87 86.25,60.76 86.08,60.76 85.98,60.66 85.98,60.51 86.08,60.4 86.25,60.4 86.36,60.3 86.36,60.15 86.25,60.04 86.08,60.04 85.98,59.94 85.98,59.79 86.08,59.68 86.25,59.68 86.36,59.58 86.36,59.43 86.25,59.32 86.08,59.32 85.98,59.22 85.98,59.07 86.08,58.97 86.25,58.97 86.36,58.86 86.36,58.71 86.25,58.61 86.08,58.61 85.98,58.5 85.98,58.35 86.08,58.25 86.25,58.25 86.36,58.14 86.36,57.99 86.25,57.89 86.08,57.89 85.98,57.78 85.98,57.63 86.08,57.53 86.25,57.53 86.36,57.42 86.36,57.27 86.25,57.17 86.08,57.17 85.98,57.06 85.98,56.91 86.08,56.81 86.25,56.81 86.36,56.7 86.36,56.55 86.25,56.45 86.08,56.45 85.98,56.34 85.98,55.1 86.08,55 86.25,55 86.36,54.89 86.36,54.74 86.25,54.64 86.08,54.64 85.98,54.53 85.98,54.38 86.08,54.28 86.25,54.28 86.36,54.17 86.36,54.02 86.25,53.92 86.08,53.92 85.98,53.81 85.98,52.2 83.69,49.91 83.69,48.51 81.53,46.35 81.53,43.56 v2(81.41,43.43) ; U11.V4 v1(76.19,44.01)
  GND_L9 w0.094: v1(76.19,44.01) 76.39,44.01 76.77,44.38 80.46,44.38 v2(81.41,43.43)
EMAC(1)_RXD0: length 67.4
  TOP w0.12: U11.A4 v1(76.19,29.61) ; v2(76.07,26.16) 76.07,25.77 76.19,25.65 77.6,25.65 79.88,27.94 79.88,29.84 80.77,30.73 82.55,30.73 83.21,31.39 83.21,32.66 86.11,35.56 86.11,36.83 88.01,38.73 95.12,38.73 96.08,39.69 96.08,52.51 102.36,58.8 102.36,59.28 102.26,59.38 101.83,59.38 101.73,59.49 101.73,59.64 101.83,59.74 102.26,59.74 102.36,59.85 102.36,60 102.26,60.1 101.83,60.1 101.73,60.21 101.73,60.36 101.83,60.46 102.26,60.46 102.36,60.57 102.36,60.71 102.26,60.82 101.83,60.82 101.73,60.93 101.73,61.07 101.83,61.18 102.26,61.18 102.36,61.29 102.36,61.43 102.26,61.54 101.83,61.54 101.73,61.64 101.73,61.79 101.83,61.9 102.26,61.9 102.36,62 102.36,62.15 102.26,62.26 101.83,62.26 101.73,62.36 101.73,62.61 101.85,62.74 103.89,62.74 104.52,63.37 R107.1
  SIG_L10 w0.094: v2(76.07,26.16) 76.07,26.35 75.67,26.76 75.67,29.09 v1(76.19,29.61)
EMAC(1)_RXD1: length 67.2
  TOP w0.12: R108.1 103.63,63.5 103.25,63.12 100.7,63.12 100.58,63 100.58,61.69 100.69,61.58 101.11,61.58 101.22,61.48 101.22,61.33 101.11,61.22 100.69,61.22 100.58,61.12 100.58,60.97 100.69,60.86 101.11,60.86 101.22,60.76 101.22,60.61 101.11,60.5 100.69,60.5 100.58,60.4 100.58,60.25 100.69,60.14 101.11,60.14 101.22,60.04 101.22,59.89 101.11,59.78 100.69,59.78 100.58,59.68 100.58,59.53 100.69,59.42 101.11,59.42 101.22,59.32 101.22,59.17 101.11,59.06 100.69,59.06 100.58,58.96 100.58,58.81 100.69,58.7 101.11,58.7 101.22,58.6 101.22,58.45 101.11,58.35 100.69,58.35 100.58,58.24 100.58,57.53 95.76,52.7 95.76,39.88 94.87,38.99 87.76,38.99 85.72,36.96 85.72,35.56 82.96,32.79 82.96,31.52 82.42,30.99 80.65,30.99 79.63,29.97 79.63,28.07 77.72,26.16 v2(76.96,26.16) ; U11.B5 v1(75.39,30.41)
  SIG_L10 w0.094: v1(75.39,30.41) 75.81,29.98 76.34,29.98 76.56,29.76 76.56,27.09 76.56,27.09 76.56,26.76 76.96,26.35 v2(76.96,26.16)
EMAC(1)_RXD2: length 67.2
  TOP w0.12: v2(82.3,31.5) 82.71,31.91 82.71,32.93 85.34,35.56 85.34,37.08 88.52,40.26 88.52,47.37 88.65,47.5 89.82,47.5 89.92,47.6 89.92,48.28 90.03,48.39 90.18,48.39 90.28,48.28 90.28,47.6 90.39,47.5 90.54,47.5 90.64,47.6 90.64,48.28 90.75,48.39 90.9,48.39 91,48.28 91,47.6 91.11,47.5 91.26,47.5 91.36,47.6 91.36,48.28 91.47,48.39 91.62,48.39 91.72,48.28 91.72,47.6 91.83,47.5 92,47.5 92.12,47.62 92.12,49.79 92.24,49.91 92.44,49.91 92.55,49.81 92.55,48.75 92.65,48.64 92.8,48.64 92.91,48.75 92.91,49.81 93.01,49.91 93.23,49.91 93.34,49.79 93.34,48.76 93.46,48.64 93.73,48.64 93.85,48.76 93.85,50.83 93.75,50.94 93.58,50.94 93.47,51.05 93.47,51.32 93.59,51.44 93.99,51.44 94.11,51.55 94.11,52.46 94.23,52.58 94.4,52.58 94.52,52.46 94.52,51.05 94.64,50.93 94.88,50.93 95,51.05 95,52.45 100.2,57.66 100.2,63.37 100.33,63.5 102.36,63.5 102.74,63.88 R109.1 ; U11.B4 v1(76.19,30.41)
  SIG_L10 w0.094: v1(76.19,30.41) 76.4,30.41 76.8,30.01 77.18,30.01 77.41,29.78 77.41,29.45 77.77,29.08 78.99,29.08 80.65,30.73 81.53,30.73 v2(82.3,31.5)
EMAC(1)_RXD3: length 67.2
  TOP w0.12: U11.B3 v1(76.99,30.41) ; v2(82.3,32.38) 82.3,32.89 84.96,35.56 84.96,37.51 84.74,37.73 84.74,37.88 84.85,37.98 85,37.98 85.29,37.69 85.44,37.69 85.55,37.79 85.55,37.94 85.25,38.24 85.25,38.39 85.36,38.49 85.5,38.49 85.8,38.2 85.95,38.2 86.05,38.3 86.05,38.45 85.76,38.75 85.76,38.9 85.86,39 86.01,39 86.31,38.71 86.46,38.71 86.56,38.81 86.56,38.96 86.27,39.26 86.27,39.4 86.37,39.51 86.52,39.51 86.82,39.21 86.97,39.21 87.07,39.32 87.07,39.47 86.78,39.76 86.78,39.91 86.88,40.02 87.03,40.02 87.33,39.72 87.47,39.72 87.58,39.83 87.58,39.98 87.28,40.27 87.28,40.42 87.39,40.53 87.54,40.53 87.83,40.23 87.98,40.23 88.2,40.45 88.2,47.56 88.65,48.01 88.9,48.01 93.98,53.09 95.12,53.09 99.7,57.66 99.7,57.91 99.59,58.01 99.42,58.01 99.31,58.12 99.31,58.27 99.42,58.37 99.72,58.37 99.82,58.48 99.82,58.63 99.72,58.73 99.42,58.73 99.31,58.84 99.31,58.99 99.42,59.09 99.72,59.09 99.82,59.2 99.82,59.35 99.72,59.45 99.42,59.45 99.31,59.56 99.31,59.71 99.42,59.81 99.72,59.81 99.82,59.92 99.82,60.06 99.72,60.17 99.42,60.17 99.31,60.28 99.31,60.42 99.42,60.53 99.72,60.53 99.82,60.64 99.82,60.78 99.72,60.89 99.42,60.89 99.31,60.99 99.31,61.14 99.42,61.25 99.72,61.25 99.82,61.35 99.82,61.5 99.72,61.61 99.42,61.61 99.31,61.71 99.31,61.86 99.42,61.97 99.72,61.97 99.82,62.07 99.82,62.22 99.72,62.33 99.42,62.33 99.31,62.43 99.31,62.58 99.42,62.69 99.72,62.69 99.82,62.79 99.82,62.94 99.72,63.05 99.42,63.05 99.31,63.15 99.31,63.3 99.42,63.41 99.72,63.41 99.82,63.51 99.82,63.66 99.72,63.77 99.42,63.77 99.31,63.87 99.31,64.02 99.42,64.13 99.72,64.13 99.82,64.23 99.82,64.38 99.72,64.49 99.42,64.49 99.31,64.59 99.31,64.74 99.42,64.85 99.72,64.85 99.82,64.95 99.82,65.16 99.94,65.28 100.28,65.28 100.39,65.17 100.39,63.99 100.49,63.88 100.77,63.88 100.87,63.99 100.87,65.17 100.98,65.28 101.23,65.28 101.35,65.16 101.35,64.41 101.47,64.3 R110.1